# Altium PCB AD9361_EXT.PcbDoc (part 4 of 9)
Units mil, origin at the board's own origin, x right, y up, seen from the top; angles counter-clockwise.
Board outline 3145.03 x 1955.03 mil, 2 copper layers (Top Layer, Bottom Layer); 53 components, 59 nets, 286 pads, 253 vias.
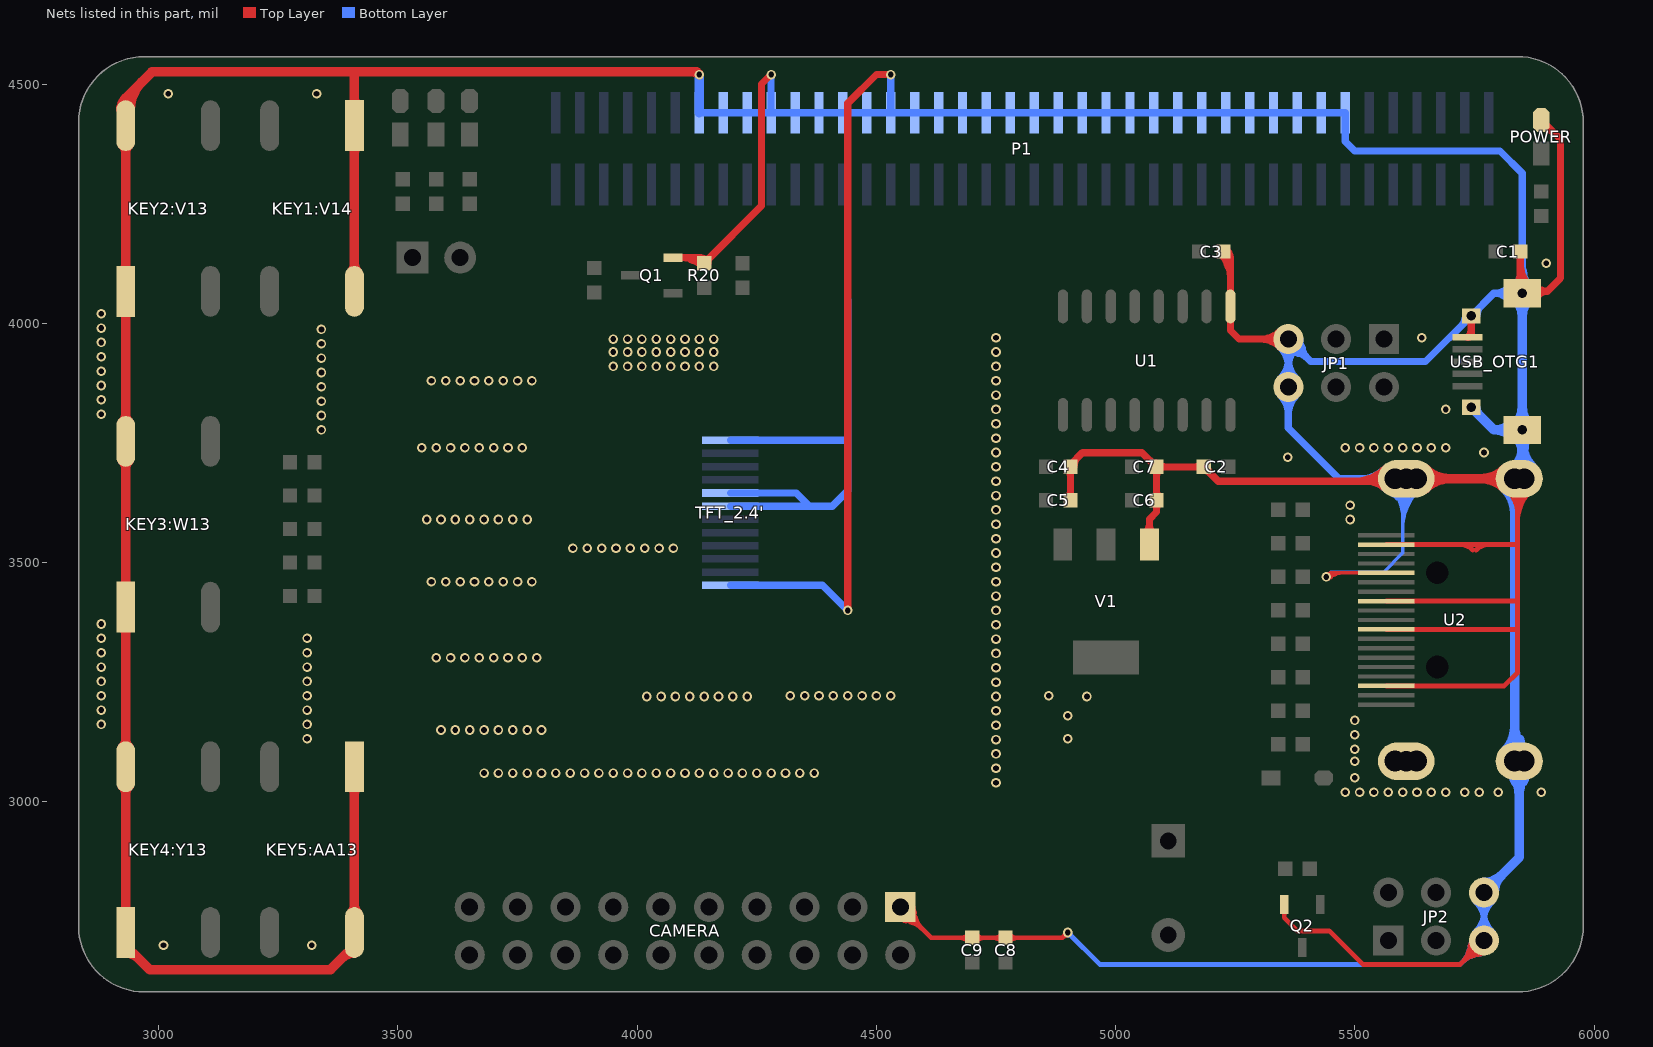
[diagram p4: the nets of this part, all layers, seen from the top]

## Via types
v1: diameter 20, hole 12, Top Layer to Bottom Layer, tented both sides, 253 vias

## Nets (pads, with @x,y where several pads share a name; then routed paths per layer and width w, separated by ;. In a path a pad name is that pad's centre, name@x,y a point inside that pad or via, vN(x,y) a via of type N, cw(c..) or ccw(c..) an arc to the next point about the centre after c; other vN are vias at no path point) (continued)
GND: (continued)
  Bottom Layer w7: v1(5440,3470) 5450,3480 5560,3480 5600,3520 U2.MH4@5600,3675 ; U2.MH4@5571.1,3662.16 cw(c5501.33,3592.39) 5600,3592.39 ; U2.MH4@5571.1,3662.16 cw(c5501.33,3592.39) 5600,3592.39 ; U2.MH4@5571.1,3662.16 cw(c5501.33,3592.39) 5600,3592.39 ; U2.MH4@5571.1,3662.16 cw(c5501.33,3592.39) 5600,3592.39 ; U2.MH4@5576.05,3667.11 cw(c5518.23,3609.29) 5600,3609.29 ; U2.MH4@5576.05,3667.11 cw(c5518.23,3609.29) 5600,3609.29 ; U2.MH4@5576.05,3667.11 cw(c5518.23,3609.29) 5600,3609.29 ; U2.MH4@5576.05,3667.11 cw(c5518.23,3609.29) 5600,3609.29 ; U2.MH4@5578.43,3640.63 cw(c5574.53,3626.06) 5587.59,3633.6 ; U2.MH4@5578.43,3640.63 cw(c5574.53,3626.06) 5587.59,3633.6 ; U2.MH4@5578.43,3640.63 cw(c5574.53,3626.06) 5587.59,3633.6 ; U2.MH4@5578.43,3640.63 cw(c5574.53,3626.06) 5587.59,3633.6 ; U2.MH4@5578.43,3640.63 cw(c5574.53,3626.06) 5587.59,3633.6 ; U2.MH4@5578.43,3640.63 cw(c5574.53,3626.06) 5587.59,3633.6 ; U2.MH4@5579.24,3657.47 cw(c5574.46,3639.63) U2.MH4@5590.45,3648.86 ; U2.MH4@5579.24,3657.47 cw(c5574.46,3639.63) U2.MH4@5590.45,3648.86 ; U2.MH4@5579.24,3657.47 cw(c5574.46,3639.63) U2.MH4@5590.45,3648.86 ; U2.MH4@5579.24,3657.47 cw(c5574.46,3639.63) U2.MH4@5590.45,3648.86 ; U2.MH4@5579.24,3657.47 cw(c5574.46,3639.63) U2.MH4@5590.45,3648.86 ; U2.MH4@5579.24,3657.47 cw(c5574.46,3639.63) U2.MH4@5590.45,3648.86 ; U2.MH4@5579.24,3657.47 cw(c5574.46,3639.63) U2.MH4@5590.45,3648.86 ; U2.MH4@5579.24,3657.47 cw(c5574.46,3639.63) U2.MH4@5590.45,3648.86 ; U2.MH4@5579.24,3657.47 cw(c5574.46,3639.63) U2.MH4@5590.45,3648.86 ; U2.MH4@5579.24,3657.47 cw(c5574.46,3639.63) U2.MH4@5590.45,3648.86 ; U2.MH4@5579.93,3657.29 cw(c5574.21,3632.05) U2.MH4@5596.63,3644.99 ; U2.MH4@5579.93,3657.29 cw(c5574.21,3632.05) U2.MH4@5596.63,3644.99 ; U2.MH4@5579.93,3657.29 cw(c5574.21,3632.05) U2.MH4@5596.63,3644.99 ; U2.MH4@5579.93,3657.29 cw(c5574.21,3632.05) U2.MH4@5596.63,3644.99 ; U2.MH4@5579.93,3657.29 cw(c5574.21,3632.05) U2.MH4@5596.63,3644.99 ; U2.MH4@5579.93,3657.29 cw(c5574.21,3632.05) U2.MH4@5596.63,3644.99 ; U2.MH4@5581,3672.06 cw(c5535.13,3626.19) 5600,3626.19 ; U2.MH4@5581,3672.06 cw(c5535.13,3626.19) 5600,3626.19 ; U2.MH4@5581,3672.06 cw(c5535.13,3626.19) 5600,3626.19 ; U2.MH4@5581,3672.06 cw(c5535.13,3626.19) 5600,3626.19 ; U2.MH4@5582.04,3649.91 cw(c5538.67,3606.55) 5600,3606.55 ; U2.MH4@5582.04,3649.91 cw(c5538.67,3606.55) 5600,3606.55 ; U2.MH4@5582.04,3649.91 cw(c5538.67,3606.55) 5600,3606.55 ; U2.MH4@5582.04,3649.91 cw(c5538.67,3606.55) 5600,3606.55 ; U2.MH4@5585.95,3677.01 cw(c5552.03,3643.09) U2.MH4@5600,3643.09 ; U2.MH4@5585.95,3677.01 cw(c5552.03,3643.09) U2.MH4@5600,3643.09 ; U2.MH4@5585.95,3677.01 cw(c5552.03,3643.09) U2.MH4@5600,3643.09 ; U2.MH4@5585.95,3677.01 cw(c5552.03,3643.09) U2.MH4@5600,3643.09 ; U2.MH4@5586.99,3654.86 cw(c5555.57,3623.45) 5600,3623.45 ; U2.MH4@5586.99,3654.86 cw(c5555.57,3623.45) 5600,3623.45 ; U2.MH4@5586.99,3654.86 cw(c5555.57,3623.45) 5600,3623.45 ; U2.MH4@5586.99,3654.86 cw(c5555.57,3623.45) 5600,3623.45 ; U2.MH4@5588.76,3646.24 cw(c5602.86,3654.82) U2.MH4@5591.57,3666.86 ; U2.MH4@5588.76,3646.24 cw(c5602.86,3654.82) U2.MH4@5591.57,3666.86 ; U2.MH4@5588.76,3646.24 cw(c5602.86,3654.82) U2.MH4@5591.57,3666.86 ; U2.MH4@5588.76,3646.24 cw(c5602.86,3654.82) U2.MH4@5591.57,3666.86 ; U2.MH4@5588.76,3646.24 cw(c5602.86,3654.82) U2.MH4@5591.57,3666.86 ; U2.MH4@5588.76,3646.24 cw(c5602.86,3654.82) U2.MH4@5591.57,3666.86 ; U2.MH4@5590.9,3681.96 cw(c5568.93,3659.99) U2.MH4@5600,3659.99 ; U2.MH4@5590.9,3681.96 cw(c5568.93,3659.99) U2.MH4@5600,3659.99 ; U2.MH4@5590.9,3681.96 cw(c5568.93,3659.99) U2.MH4@5600,3659.99 ; U2.MH4@5590.9,3681.96 cw(c5568.93,3659.99) U2.MH4@5600,3659.99 ; U2.MH4@5591.19,3647.59 cw(c5607.02,3656.73) U2.MH4@5592.68,3668.08 ; U2.MH4@5591.19,3647.59 cw(c5607.02,3656.73) U2.MH4@5592.68,3668.08 ; U2.MH4@5591.19,3647.59 cw(c5607.02,3656.73) U2.MH4@5592.68,3668.08 ; U2.MH4@5591.19,3647.59 cw(c5607.02,3656.73) U2.MH4@5592.68,3668.08 ; U2.MH4@5591.19,3647.59 cw(c5607.02,3656.73) U2.MH4@5592.68,3668.08 ; U2.MH4@5591.19,3647.59 cw(c5607.02,3656.73) U2.MH4@5592.68,3668.08 ; U2.MH4@5591.19,3647.59 cw(c5607.02,3656.73) U2.MH4@5592.68,3668.08 ; U2.MH4@5591.19,3647.59 cw(c5607.02,3656.73) U2.MH4@5592.68,3668.08 ; U2.MH4@5591.19,3647.59 cw(c5607.02,3656.73) U2.MH4@5592.68,3668.08 ; U2.MH4@5591.19,3647.59 cw(c5607.02,3656.73) U2.MH4@5592.68,3668.08 ; U2.MH4@5591.52,3653.83 cw(c5602.41,3660.12) U2.MH4@5592.62,3668 ; U2.MH4@5591.52,3653.83 cw(c5602.41,3660.12) U2.MH4@5592.62,3668 ; U2.MH4@5591.52,3653.83 cw(c5602.41,3660.12) U2.MH4@5592.62,3668 ; U2.MH4@5591.52,3653.83 cw(c5602.41,3660.12) U2.MH4@5592.62,3668 ; U2.MH4@5591.52,3653.83 cw(c5602.41,3660.12) U2.MH4@5592.62,3668 ; U2.MH4@5591.52,3653.83 cw(c5602.41,3660.12) U2.MH4@5592.62,3668 ; U2.MH4@5593.24,3638.87 cw(c5608.88,3648.4) U2.MH4@5596.35,3661.76 ; U2.MH4@5593.24,3638.87 cw(c5608.88,3648.4) U2.MH4@5596.35,3661.76 ; U2.MH4@5593.24,3638.87 cw(c5608.88,3648.4) U2.MH4@5596.35,3661.76 ; U2.MH4@5593.24,3638.87 cw(c5608.88,3648.4) U2.MH4@5596.35,3661.76 ; U2.MH4@5593.24,3638.87 cw(c5608.88,3648.4) U2.MH4@5596.35,3661.76 ; U2.MH4@5593.24,3638.87 cw(c5608.88,3648.4) U2.MH4@5596.35,3661.76 ; U2.MH4@5596.34,3638.66 cw(c5615.72,3649.85) U2.MH4@5598.17,3663.74 ; U2.MH4@5596.34,3638.66 cw(c5615.72,3649.85) U2.MH4@5598.17,3663.74 ; U2.MH4@5596.34,3638.66 cw(c5615.72,3649.85) U2.MH4@5598.17,3663.74 ; U2.MH4@5596.34,3638.66 cw(c5615.72,3649.85) U2.MH4@5598.17,3663.74 ; U2.MH4@5596.34,3638.66 cw(c5615.72,3649.85) U2.MH4@5598.17,3663.74 ; U2.MH4@5596.34,3638.66 cw(c5615.72,3649.85) U2.MH4@5598.17,3663.74 ; U2.MH4@5596.34,3638.66 cw(c5615.72,3649.85) U2.MH4@5598.17,3663.74 ; U2.MH4@5596.34,3638.66 cw(c5615.72,3649.85) U2.MH4@5598.17,3663.74 ; U2.MH4@5596.34,3638.66 cw(c5615.72,3649.85) U2.MH4@5598.17,3663.74 ; U2.MH4@5596.34,3638.66 cw(c5615.72,3649.85) U2.MH4@5598.17,3663.74 ; U2.MH4@5596.63,3644.99 cw(c5610.94,3653.25) U2.MH4@5598.07,3663.61 ; U2.MH4@5596.63,3644.99 cw(c5610.94,3653.25) U2.MH4@5598.07,3663.61 ; U2.MH4@5596.63,3644.99 cw(c5610.94,3653.25) U2.MH4@5598.07,3663.61 ; U2.MH4@5596.63,3644.99 cw(c5610.94,3653.25) U2.MH4@5598.07,3663.61 ; U2.MH4@5596.63,3644.99 cw(c5610.94,3653.25) U2.MH4@5598.07,3663.61 ; U2.MH4@5596.63,3644.99 cw(c5610.94,3653.25) U2.MH4@5598.07,3663.61 ; 5600,3570.81 cw(c5711.87,3570.81) U2.MH4@5632.77,3649.91 ; 5600,3570.81 cw(c5711.87,3570.81) U2.MH4@5632.77,3649.91 ; 5600,3570.81 cw(c5711.87,3570.81) U2.MH4@5632.77,3649.91 ; 5600,3570.81 cw(c5711.87,3570.81) U2.MH4@5632.77,3649.91 ; 5600,3587.71 cw(c5694.97,3587.71) U2.MH4@5627.82,3654.86 ; 5600,3587.71 cw(c5694.97,3587.71) U2.MH4@5627.82,3654.86 ; 5600,3587.71 cw(c5694.97,3587.71) U2.MH4@5627.82,3654.86 ; 5600,3587.71 cw(c5694.97,3587.71) U2.MH4@5627.82,3654.86 ; 5600,3604.61 cw(c5678.07,3604.61) U2.MH4@5622.87,3659.81 ; 5600,3604.61 cw(c5678.07,3604.61) U2.MH4@5622.87,3659.81 ; 5600,3604.61 cw(c5678.07,3604.61) U2.MH4@5622.87,3659.81 ; 5600,3604.61 cw(c5678.07,3604.61) U2.MH4@5622.87,3659.81 ; 5600,3621.51 cw(c5661.17,3621.51) U2.MH4@5617.92,3664.76 ; 5600,3621.51 cw(c5661.17,3621.51) U2.MH4@5617.92,3664.76 ; 5600,3621.51 cw(c5661.17,3621.51) U2.MH4@5617.92,3664.76 ; 5600,3621.51 cw(c5661.17,3621.51) U2.MH4@5617.92,3664.76 ; 5600.81,3635.13 cw(c5640.15,3612.41) U2.MH4@5632.14,3657.13 ; 5600.81,3635.13 cw(c5640.15,3612.41) U2.MH4@5632.14,3657.13 ; 5600.81,3635.13 cw(c5640.15,3612.41) U2.MH4@5632.14,3657.13 ; 5600.81,3635.13 cw(c5640.15,3612.41) U2.MH4@5632.14,3657.13 ; 5600.81,3635.13 cw(c5640.15,3612.41) U2.MH4@5632.14,3657.13 ; 5600.81,3635.13 cw(c5640.15,3612.41) U2.MH4@5632.14,3657.13 ; 5600.81,3635.13 cw(c5640.15,3612.41) U2.MH4@5632.14,3657.13 ; 5600.81,3635.13 cw(c5640.15,3612.41) U2.MH4@5632.14,3657.13 ; 5600.81,3635.13 cw(c5640.15,3612.41) U2.MH4@5632.14,3657.13 ; 5600.81,3635.13 cw(c5640.15,3612.41) U2.MH4@5632.14,3657.13 ; U2.MH4@5607.04,3636.38 ccw(c5575.59,3657.63) U2.MH4@5611.68,3669.38 ; U2.MH4@5607.04,3636.38 ccw(c5575.59,3657.63) U2.MH4@5611.68,3669.38 ; U2.MH4@5607.04,3636.38 ccw(c5575.59,3657.63) U2.MH4@5611.68,3669.38 ; U2.MH4@5607.04,3636.38 ccw(c5575.59,3657.63) U2.MH4@5611.68,3669.38 ; U2.MH4@5607.04,3636.38 ccw(c5575.59,3657.63) U2.MH4@5611.68,3669.38 ; U2.MH4@5607.04,3636.38 ccw(c5575.59,3657.63) U2.MH4@5611.68,3669.38 ; U2.MH4@5607.04,3636.38 ccw(c5575.59,3657.63) U2.MH4@5611.68,3669.38 ; U2.MH4@5607.04,3636.38 ccw(c5575.59,3657.63) U2.MH4@5611.68,3669.38 ; U2.MH4@5607.04,3636.38 ccw(c5575.59,3657.63) U2.MH4@5611.68,3669.38 ; U2.MH4@5607.04,3636.38 ccw(c5575.59,3657.63) U2.MH4@5611.68,3669.38 ; U2.MH4@5608.34,3648.18 cw(c5636.67,3631.82) U2.MH4@5630.9,3664.02 ; U2.MH4@5608.34,3648.18 cw(c5636.67,3631.82) U2.MH4@5630.9,3664.02 ; U2.MH4@5608.34,3648.18 cw(c5636.67,3631.82) U2.MH4@5630.9,3664.02 ; U2.MH4@5608.34,3648.18 cw(c5636.67,3631.82) U2.MH4@5630.9,3664.02 ; U2.MH4@5608.34,3648.18 cw(c5636.67,3631.82) U2.MH4@5630.9,3664.02 ; U2.MH4@5608.34,3648.18 cw(c5636.67,3631.82) U2.MH4@5630.9,3664.02 ; U2.MH4@5608.34,3648.18 cw(c5636.67,3631.82) U2.MH4@5630.9,3664.02 ; U2.MH4@5608.34,3648.18 cw(c5636.67,3631.82) U2.MH4@5630.9,3664.02 ; U2.MH4@5608.34,3648.18 cw(c5636.67,3631.82) U2.MH4@5630.9,3664.02 ; U2.MH4@5608.34,3648.18 cw(c5636.67,3631.82) U2.MH4@5630.9,3664.02 ; U2.MH4@5608.53,3648.51 ccw(c5583.66,3662.87) U2.MH4@5611.4,3670.3 ; U2.MH4@5608.53,3648.51 ccw(c5583.66,3662.87) U2.MH4@5611.4,3670.3 ; U2.MH4@5608.53,3648.51 ccw(c5583.66,3662.87) U2.MH4@5611.4,3670.3 ; U2.MH4@5608.53,3648.51 ccw(c5583.66,3662.87) U2.MH4@5611.4,3670.3 ; U2.MH4@5608.53,3648.51 ccw(c5583.66,3662.87) U2.MH4@5611.4,3670.3 ; U2.MH4@5608.53,3648.51 ccw(c5583.66,3662.87) U2.MH4@5611.4,3670.3 ; U2.MH4@5608.53,3648.51 ccw(c5583.66,3662.87) U2.MH4@5611.4,3670.3 ; U2.MH4@5608.53,3648.51 ccw(c5583.66,3662.87) U2.MH4@5611.4,3670.3 ; U2.MH4@5608.53,3648.51 ccw(c5583.66,3662.87) U2.MH4@5611.4,3670.3 ; U2.MH4@5608.53,3648.51 ccw(c5583.66,3662.87) U2.MH4@5611.4,3670.3 ; U2.MH4@5611.97,3643.69 cw(c5638.46,3625.79) U2.MH4@5632.39,3657.18 ; U2.MH4@5611.97,3643.69 cw(c5638.46,3625.79) U2.MH4@5632.39,3657.18 ; U2.MH4@5611.97,3643.69 cw(c5638.46,3625.79) U2.MH4@5632.39,3657.18 ; U2.MH4@5611.97,3643.69 cw(c5638.46,3625.79) U2.MH4@5632.39,3657.18 ; U2.MH4@5611.97,3643.69 cw(c5638.46,3625.79) U2.MH4@5632.39,3657.18 ; U2.MH4@5611.97,3643.69 cw(c5638.46,3625.79) U2.MH4@5632.39,3657.18 ; U2.MH4@5611.97,3643.69 cw(c5638.46,3625.79) U2.MH4@5632.39,3657.18 ; U2.MH4@5611.97,3643.69 cw(c5638.46,3625.79) U2.MH4@5632.39,3657.18 ; U2.MH4@5611.97,3643.69 cw(c5638.46,3625.79) U2.MH4@5632.39,3657.18 ; U2.MH4@5611.97,3643.69 cw(c5638.46,3625.79) U2.MH4@5632.39,3657.18 ; U2.MH4@5612.41,3655.53 cw(c5648.46,3657.45) U2.MH4@5621.62,3681.58 ; U2.MH4@5612.41,3655.53 cw(c5648.46,3657.45) U2.MH4@5621.62,3681.58 ; U2.MH4@5612.41,3655.53 cw(c5648.46,3657.45) U2.MH4@5621.62,3681.58 ; U2.MH4@5612.41,3655.53 cw(c5648.46,3657.45) U2.MH4@5621.62,3681.58 ; U2.MH4@5612.41,3655.53 cw(c5648.46,3657.45) U2.MH4@5621.62,3681.58 ; U2.MH4@5612.41,3655.53 cw(c5648.46,3657.45) U2.MH4@5621.62,3681.58 ; U2.MH4@5612.41,3655.53 cw(c5648.46,3657.45) U2.MH4@5621.62,3681.58 ; U2.MH4@5612.41,3655.53 cw(c5648.46,3657.45) U2.MH4@5621.62,3681.58 ; U2.MH4@5612.41,3655.53 cw(c5648.46,3657.45) U2.MH4@5621.62,3681.58 ; U2.MH4@5612.41,3655.53 cw(c5648.46,3657.45) U2.MH4@5621.62,3681.58 ; U2.MH4@5612.87,3648.08 ccw(c5603.41,3668.23) U2.MH4@5624.92,3673.94 ; U2.MH4@5612.87,3648.08 ccw(c5603.41,3668.23) U2.MH4@5624.92,3673.94 ; U2.MH4@5612.87,3648.08 ccw(c5603.41,3668.23) U2.MH4@5624.92,3673.94 ; U2.MH4@5612.87,3648.08 ccw(c5603.41,3668.23) U2.MH4@5624.92,3673.94 ; U2.MH4@5612.87,3648.08 ccw(c5603.41,3668.23) U2.MH4@5624.92,3673.94 ; U2.MH4@5612.87,3648.08 ccw(c5603.41,3668.23) U2.MH4@5624.92,3673.94 ; U2.MH4@5612.87,3648.08 ccw(c5603.41,3668.23) U2.MH4@5624.92,3673.94 ; U2.MH4@5612.87,3648.08 ccw(c5603.41,3668.23) U2.MH4@5624.92,3673.94 ; U2.MH4@5612.87,3648.08 ccw(c5603.41,3668.23) U2.MH4@5624.92,3673.94 ; U2.MH4@5612.87,3648.08 ccw(c5603.41,3668.23) U2.MH4@5624.92,3673.94 ; U2.MH4@5614.98,3663.4 cw(c5599.97,3650.92) U2.MH4@5615.35,3638.91 ; U2.MH4@5614.98,3663.4 cw(c5599.97,3650.92) U2.MH4@5615.35,3638.91 ; U2.MH4@5614.98,3663.4 cw(c5599.97,3650.92) U2.MH4@5615.35,3638.91 ; U2.MH4@5614.98,3663.4 cw(c5599.97,3650.92) U2.MH4@5615.35,3638.91 ; U2.MH4@5614.98,3663.4 cw(c5599.97,3650.92) U2.MH4@5615.35,3638.91 ; U2.MH4@5614.98,3663.4 cw(c5599.97,3650.92) U2.MH4@5615.35,3638.91 ; U2.MH4@5614.98,3663.4 cw(c5599.97,3650.92) U2.MH4@5615.35,3638.91 ; U2.MH4@5614.98,3663.4 cw(c5599.97,3650.92) U2.MH4@5615.35,3638.91 ; U2.MH4@5614.98,3663.4 cw(c5599.97,3650.92) U2.MH4@5615.35,3638.91 ; U2.MH4@5614.98,3663.4 cw(c5599.97,3650.92) U2.MH4@5615.35,3638.91 ; U2.MH4@5615.06,3648.25 ccw(c5592.86,3663.25) U2.MH4@5618.33,3671.55 ; U2.MH4@5615.06,3648.25 ccw(c5592.86,3663.25) U2.MH4@5618.33,3671.55 ; U2.MH4@5615.06,3648.25 ccw(c5592.86,3663.25) U2.MH4@5618.33,3671.55 ; U2.MH4@5615.06,3648.25 ccw(c5592.86,3663.25) U2.MH4@5618.33,3671.55 ; U2.MH4@5615.06,3648.25 ccw(c5592.86,3663.25) U2.MH4@5618.33,3671.55 ; U2.MH4@5615.06,3648.25 ccw(c5592.86,3663.25) U2.MH4@5618.33,3671.55 ; U2.MH4@5615.06,3648.25 ccw(c5592.86,3663.25) U2.MH4@5618.33,3671.55 ; U2.MH4@5615.06,3648.25 ccw(c5592.86,3663.25) U2.MH4@5618.33,3671.55 ; U2.MH4@5615.06,3648.25 ccw(c5592.86,3663.25) U2.MH4@5618.33,3671.55 ; U2.MH4@5615.06,3648.25 ccw(c5592.86,3663.25) U2.MH4@5618.33,3671.55 ; U2.MH4@5620.36,3667.87 cw(c5606.81,3656.6) U2.MH4@5620.69,3645.75 ; U2.MH4@5620.36,3667.87 cw(c5606.81,3656.6) U2.MH4@5620.69,3645.75 ; U2.MH4@5620.36,3667.87 cw(c5606.81,3656.6) U2.MH4@5620.69,3645.75 ; U2.MH4@5620.36,3667.87 cw(c5606.81,3656.6) U2.MH4@5620.69,3645.75 ; U2.MH4@5620.36,3667.87 cw(c5606.81,3656.6) U2.MH4@5620.69,3645.75 ; U2.MH4@5620.36,3667.87 cw(c5606.81,3656.6) U2.MH4@5620.69,3645.75 ; U2.MH4@5620.36,3667.87 cw(c5606.81,3656.6) U2.MH4@5620.69,3645.75 ; U2.MH4@5620.36,3667.87 cw(c5606.81,3656.6) U2.MH4@5620.69,3645.75 ; U2.MH4@5620.36,3667.87 cw(c5606.81,3656.6) U2.MH4@5620.69,3645.75 ; U2.MH4@5620.36,3667.87 cw(c5606.81,3656.6) U2.MH4@5620.69,3645.75 ; U2.MH4@5620.46,3651.65 ccw(c5611.65,3670.41) U2.MH4@5631.69,3675.73 ; U2.MH4@5620.46,3651.65 ccw(c5611.65,3670.41) U2.MH4@5631.69,3675.73 ; U2.MH4@5620.46,3651.65 ccw(c5611.65,3670.41) U2.MH4@5631.69,3675.73 ; U2.MH4@5620.46,3651.65 ccw(c5611.65,3670.41) U2.MH4@5631.69,3675.73 ; U2.MH4@5620.46,3651.65 ccw(c5611.65,3670.41) U2.MH4@5631.69,3675.73 ; U2.MH4@5620.46,3651.65 ccw(c5611.65,3670.41) U2.MH4@5631.69,3675.73 ; U2.MH4@5620.46,3651.65 ccw(c5611.65,3670.41) U2.MH4@5631.69,3675.73 ; U2.MH4@5620.46,3651.65 ccw(c5611.65,3670.41) U2.MH4@5631.69,3675.73 ; U2.MH4@5620.46,3651.65 ccw(c5611.65,3670.41) U2.MH4@5631.69,3675.73 ; U2.MH4@5620.46,3651.65 ccw(c5611.65,3670.41) U2.MH4@5631.69,3675.73 ; U2.MH4@5625.74,3672.34 cw(c5613.64,3662.28) U2.MH4@5626.04,3652.59 ; U2.MH4@5625.74,3672.34 cw(c5613.64,3662.28) U2.MH4@5626.04,3652.59 ; U2.MH4@5625.74,3672.34 cw(c5613.64,3662.28) U2.MH4@5626.04,3652.59 ; U2.MH4@5625.74,3672.34 cw(c5613.64,3662.28) U2.MH4@5626.04,3652.59 ; U2.MH4@5625.74,3672.34 cw(c5613.64,3662.28) U2.MH4@5626.04,3652.59 ; U2.MH4@5625.74,3672.34 cw(c5613.64,3662.28) U2.MH4@5626.04,3652.59 ; U2.MH4@5625.74,3672.34 cw(c5613.64,3662.28) U2.MH4@5626.04,3652.59 ; U2.MH4@5625.74,3672.34 cw(c5613.64,3662.28) U2.MH4@5626.04,3652.59 ; U2.MH4@5625.74,3672.34 cw(c5613.64,3662.28) U2.MH4@5626.04,3652.59 ; U2.MH4@5625.74,3672.34 cw(c5613.64,3662.28) U2.MH4@5626.04,3652.59
  Bottom Layer w10: v1(4900,2726.77) 4966.77,2660 5720,2660 JP2.5@5770,2710 JP2.6@5770,2810 ; v1@4900,2721.77 cw(c4900,2709.7) 4908.54,2718.24 ; v1@4900,2721.77 cw(c4900,2709.7) 4908.54,2718.24 ; v1@4900,2721.77 cw(c4900,2709.7) 4908.54,2718.24 ; v1@4900,2721.77 cw(c4900,2709.7) 4908.54,2718.24 ; v1@4905,2726.77 ccw(c4917.07,2726.77) 4908.54,2718.24 ; v1@4905,2726.77 ccw(c4917.07,2726.77) 4908.54,2718.24 ; v1@4905,2726.77 ccw(c4917.07,2726.77) 4908.54,2718.24 ; v1@4905,2726.77 ccw(c4917.07,2726.77) 4908.54,2718.24 ; 5724.77,2664.77 cw(c5770,2619.54) JP2.5@5770,2683.5 ; 5724.77,2664.77 ccw(c5679.54,2710) JP2.5@5743.5,2710 ; 5724.77,2664.77 cw(c5770,2619.54) JP2.5@5770,2683.5 ; 5724.77,2664.77 ccw(c5679.54,2710) JP2.5@5743.5,2710 ; 5724.77,2664.77 cw(c5770,2619.54) JP2.5@5770,2683.5 ; 5724.77,2664.77 ccw(c5679.54,2710) JP2.5@5743.5,2710 ; 5724.77,2664.77 cw(c5770,2619.54) JP2.5@5770,2683.5 ; 5724.77,2664.77 ccw(c5679.54,2710) JP2.5@5743.5,2710 ; 5736.03,2682.1 cw(c5778.02,2670.84) JP2.5@5769.3,2713.43 ; 5736.03,2682.1 cw(c5778.02,2670.84) JP2.5@5769.3,2713.43 ; 5736.03,2682.1 cw(c5778.02,2670.84) JP2.5@5769.3,2713.43 ; 5736.03,2682.1 cw(c5778.02,2670.84) JP2.5@5769.3,2713.43 ; 5736.03,2682.1 cw(c5778.02,2670.84) JP2.5@5769.3,2713.43 ; 5736.03,2682.1 cw(c5778.02,2670.84) JP2.5@5769.3,2713.43 ; 5740.22,2697.73 cw(c5774.39,2688.57) JP2.5@5767.29,2723.23 ; 5740.22,2697.73 cw(c5774.39,2688.57) JP2.5@5767.29,2723.23 ; 5740.22,2697.73 cw(c5774.39,2688.57) JP2.5@5767.29,2723.23 ; 5740.22,2697.73 cw(c5774.39,2688.57) JP2.5@5767.29,2723.23 ; 5740.22,2697.73 cw(c5774.39,2688.57) JP2.5@5767.29,2723.23 ; 5740.22,2697.73 cw(c5774.39,2688.57) JP2.5@5767.29,2723.23 ; 5741.84,2681.84 cw(c5770,2653.68) JP2.5@5770,2693.5 ; 5741.84,2681.84 ccw(c5713.68,2710) JP2.5@5753.5,2710 ; 5741.84,2681.84 cw(c5770,2653.68) JP2.5@5770,2693.5 ; 5741.84,2681.84 ccw(c5713.68,2710) JP2.5@5753.5,2710 ; 5741.84,2681.84 cw(c5770,2653.68) JP2.5@5770,2693.5 ; 5741.84,2681.84 ccw(c5713.68,2710) JP2.5@5753.5,2710 ; 5741.84,2681.84 cw(c5770,2653.68) JP2.5@5770,2693.5 ; 5741.84,2681.84 ccw(c5713.68,2710) JP2.5@5753.5,2710 ; 5742.1,2676.03 ccw(c5730.84,2718.02) JP2.5@5773.43,2709.3 ; 5742.1,2676.03 ccw(c5730.84,2718.02) JP2.5@5773.43,2709.3 ; 5742.1,2676.03 ccw(c5730.84,2718.02) JP2.5@5773.43,2709.3 ; 5742.1,2676.03 ccw(c5730.84,2718.02) JP2.5@5773.43,2709.3 ; 5742.1,2676.03 ccw(c5730.84,2718.02) JP2.5@5773.43,2709.3 ; 5742.1,2676.03 ccw(c5730.84,2718.02) JP2.5@5773.43,2709.3 ; JP2.5@5751.26,2728.74 ccw(c5706.03,2773.97) 5770,2773.97 ; JP2.5@5751.26,2728.74 ccw(c5706.03,2773.97) 5770,2773.97 ; JP2.5@5751.26,2728.74 ccw(c5706.03,2773.97) 5770,2773.97 ; JP2.5@5751.26,2728.74 ccw(c5706.03,2773.97) 5770,2773.97 ; JP2.6@5751.26,2791.26 cw(c5706.03,2746.03) 5770,2746.03 ; JP2.6@5751.26,2791.26 cw(c5706.03,2746.03) 5770,2746.03 ; JP2.6@5751.26,2791.26 cw(c5706.03,2746.03) 5770,2746.03 ; JP2.6@5751.26,2791.26 cw(c5706.03,2746.03) 5770,2746.03 ; 5757.73,2680.22 ccw(c5748.57,2714.39) JP2.5@5783.23,2707.29 ; 5757.73,2680.22 ccw(c5748.57,2714.39) JP2.5@5783.23,2707.29 ; 5757.73,2680.22 ccw(c5748.57,2714.39) JP2.5@5783.23,2707.29 ; 5757.73,2680.22 ccw(c5748.57,2714.39) JP2.5@5783.23,2707.29 ; 5757.73,2680.22 ccw(c5748.57,2714.39) JP2.5@5783.23,2707.29 ; 5757.73,2680.22 ccw(c5748.57,2714.39) JP2.5@5783.23,2707.29 ; JP2.5@5758.34,2721.66 ccw(c5730.18,2749.82) 5770,2749.82 ; JP2.5@5758.34,2721.66 ccw(c5730.18,2749.82) 5770,2749.82 ; JP2.5@5758.34,2721.66 ccw(c5730.18,2749.82) 5770,2749.82 ; JP2.5@5758.34,2721.66 ccw(c5730.18,2749.82) 5770,2749.82 ; JP2.6@5758.34,2798.34 cw(c5730.18,2770.18) 5770,2770.18 ; JP2.6@5758.34,2798.34 cw(c5730.18,2770.18) 5770,2770.18 ; JP2.6@5758.34,2798.34 cw(c5730.18,2770.18) 5770,2770.18 ; JP2.6@5758.34,2798.34 cw(c5730.18,2770.18) 5770,2770.18 ; 5770,2746.03 cw(c5833.97,2746.03) JP2.6@5788.74,2791.26 ; 5770,2746.03 cw(c5833.97,2746.03) JP2.6@5788.74,2791.26 ; 5770,2746.03 cw(c5833.97,2746.03) JP2.6@5788.74,2791.26 ; 5770,2746.03 cw(c5833.97,2746.03) JP2.6@5788.74,2791.26 ; 5770,2749.82 ccw(c5809.82,2749.82) JP2.5@5781.66,2721.66 ; 5770,2749.82 ccw(c5809.82,2749.82) JP2.5@5781.66,2721.66 ; 5770,2749.82 ccw(c5809.82,2749.82) JP2.5@5781.66,2721.66 ; 5770,2749.82 ccw(c5809.82,2749.82) JP2.5@5781.66,2721.66 ; 5770,2770.18 cw(c5809.82,2770.18) JP2.6@5781.66,2798.34 ; 5770,2770.18 cw(c5809.82,2770.18) JP2.6@5781.66,2798.34 ; 5770,2770.18 cw(c5809.82,2770.18) JP2.6@5781.66,2798.34 ; 5770,2770.18 cw(c5809.82,2770.18) JP2.6@5781.66,2798.34 ; 5770,2773.97 ccw(c5833.97,2773.97) JP2.5@5788.74,2728.74 ; 5770,2773.97 ccw(c5833.97,2773.97) JP2.5@5788.74,2728.74 ; 5770,2773.97 ccw(c5833.97,2773.97) JP2.5@5788.74,2728.74 ; 5770,2773.97 ccw(c5833.97,2773.97) JP2.5@5788.74,2728.74
  Bottom Layer w15: P1.13@4130,4440 P1.15@4180,4440 P1.17@4230,4440 P1.19@4280,4440 ; TFT_2.4'.12@4195,3452.44 4387.56,3452.44 v1(4440,3400) ; TFT_2.4'.6@4195,3617.8 4360,3617.8 ; TFT_2.4'.5@4195,3645.35 4332.44,3645.35 4360,3617.8 ; TFT_2.4'.1@4195,3755.59 4434.41,3755.59 ; v1(4280,4520) P1.19@4280,4440 ; 4440,4050 4440,3650 4407.8,3617.8 4360,3617.8 ; v1(4530,4520) P1.29@4530,4440 ; U2.MH4@5628.94,3675 U2.MH4@5600,3675 ; P1.19@4280,4440 P1.21@4330,4440 P1.23@4380,4440 P1.25@4430,4440 P1.27@4480,4440 P1.29@4530,4440 ; P1.29@4530,4440 P1.31@4580,4440 P1.33@4630,4440 P1.35@4680,4440 P1.37@4730,4440 P1.39@4780,4440 P1.41@4830,4440 P1.43@4880,4440 P1.45@4930,4440 P1.47@4980,4440 P1.49@5030,4440 P1.51@5080,4440 P1.53@5130,4440 P1.55@5180,4440 P1.57@5230,4440 P1.59@5280,4440 P1.61@5330,4440 P1.63@5380,4440 P1.65@5430,4440 P1.67@5480,4440 5480,4380 5500,4360 5803.62,4360 5850,4313.62 USB_OTG1.5@5850,4062.72 5790.55,4062.72 ; JP1.6@5344.03,3850.03 cw(c5303.07,3809.07) 5361,3809.07 ; JP1.6@5344.03,3850.03 cw(c5303.07,3809.07) 5361,3809.07 ; JP1.6@5344.03,3850.03 cw(c5303.07,3809.07) 5361,3809.07 ; JP1.6@5344.03,3850.03 cw(c5303.07,3809.07) 5361,3809.07 ; JP1.6@5344.03,3883.97 ccw(c5303.07,3924.93) 5361,3924.93 ; JP1.6@5344.03,3883.97 ccw(c5303.07,3924.93) 5361,3924.93 ; JP1.6@5344.03,3883.97 ccw(c5303.07,3924.93) 5361,3924.93 ; JP1.6@5344.03,3883.97 ccw(c5303.07,3924.93) 5361,3924.93 ; JP1.5@5344.03,3950.03 cw(c5303.07,3909.07) 5361,3909.07 ; JP1.5@5344.03,3950.03 cw(c5303.07,3909.07) 5361,3909.07 ; JP1.5@5344.03,3950.03 cw(c5303.07,3909.07) 5361,3909.07 ; JP1.5@5344.03,3950.03 cw(c5303.07,3909.07) 5361,3909.07 ; JP1.5@5355.12,3965.8 ccw(c5391.44,3973.23) 5381.85,3937.42 ; JP1.5@5355.12,3965.8 ccw(c5391.44,3973.23) 5381.85,3937.42 ; JP1.5@5355.12,3965.8 ccw(c5391.44,3973.23) 5381.85,3937.42 ; JP1.5@5355.12,3965.8 ccw(c5391.44,3973.23) 5381.85,3937.42 ; JP1.5@5355.12,3965.8 ccw(c5391.44,3973.23) 5381.85,3937.42 ; JP1.5@5355.12,3965.8 ccw(c5391.44,3973.23) 5381.85,3937.42 ; 5361,3809.07 cw(c5418.93,3809.07) JP1.6@5377.97,3850.03 ; 5361,3809.07 cw(c5418.93,3809.07) JP1.6@5377.97,3850.03 ; 5361,3809.07 cw(c5418.93,3809.07) JP1.6@5377.97,3850.03 ; 5361,3809.07 cw(c5418.93,3809.07) JP1.6@5377.97,3850.03 ; 5361,3909.07 cw(c5418.93,3909.07) JP1.5@5377.97,3950.03 ; 5361,3909.07 cw(c5418.93,3909.07) JP1.5@5377.97,3950.03 ; 5361,3909.07 cw(c5418.93,3909.07) JP1.5@5377.97,3950.03 ; 5361,3909.07 cw(c5418.93,3909.07) JP1.5@5377.97,3950.03 ; 5361,3924.93 ccw(c5418.93,3924.93) JP1.6@5377.97,3883.97 ; 5361,3924.93 ccw(c5418.93,3924.93) JP1.6@5377.97,3883.97 ; 5361,3924.93 ccw(c5418.93,3924.93) JP1.6@5377.97,3883.97 ; 5361,3924.93 ccw(c5418.93,3924.93) JP1.6@5377.97,3883.97 ; JP1.5@5361,3943 cw(c5361,3885.07) 5401.96,3926.04 ; JP1.5@5361,3943 cw(c5361,3885.07) 5401.96,3926.04 ; JP1.5@5361,3943 cw(c5361,3885.07) 5401.96,3926.04 ; JP1.5@5361,3943 cw(c5361,3885.07) 5401.96,3926.04 ; JP1.5@5362.2,3972.88 cw(c5354.77,3936.56) 5390.58,3946.15 ; JP1.5@5362.2,3972.88 cw(c5354.77,3936.56) 5390.58,3946.15 ; JP1.5@5362.2,3972.88 cw(c5354.77,3936.56) 5390.58,3946.15 ; JP1.5@5362.2,3972.88 cw(c5354.77,3936.56) 5390.58,3946.15 ; JP1.5@5362.2,3972.88 cw(c5354.77,3936.56) 5390.58,3946.15 ; JP1.5@5362.2,3972.88 cw(c5354.77,3936.56) 5390.58,3946.15 ; JP1.5@5385,3967 ccw(c5442.93,3967) 5401.96,3926.04 ; JP1.5@5385,3967 ccw(c5442.93,3967) 5401.96,3926.04 ; JP1.5@5385,3967 ccw(c5442.93,3967) 5401.96,3926.04 ; JP1.5@5385,3967 ccw(c5442.93,3967) 5401.96,3926.04 ; 5510.11,3675 ccw(c5510.11,3752.88) U2.MH4@5565.18,3697.81 ; 5510.11,3675 ccw(c5510.11,3752.88) U2.MH4@5565.18,3697.81 ; 5510.11,3675 ccw(c5510.11,3752.88) U2.MH4@5565.18,3697.81 ; 5510.11,3675 ccw(c5510.11,3752.88) U2.MH4@5565.18,3697.81 ; 5511.44,3675 cw(c5511.44,3599) U2.MH4@5565.18,3652.74 ; 5511.44,3675 cw(c5511.44,3599) U2.MH4@5565.18,3652.74 ; 5511.44,3675 cw(c5511.44,3599) U2.MH4@5565.18,3652.74 ; 5511.44,3675 cw(c5511.44,3599) U2.MH4@5565.18,3652.74 ; 5546.32,3675 ccw(c5546.32,3716.67) U2.MH4@5575.79,3687.2 ; 5546.32,3675 ccw(c5546.32,3716.67) U2.MH4@5575.79,3687.2 ; 5546.32,3675 ccw(c5546.32,3716.67) U2.MH4@5575.79,3687.2 ; 5546.32,3675 ccw(c5546.32,3716.67) U2.MH4@5575.79,3687.2 ; 5547.65,3675 cw(c5547.65,3635.21) U2.MH4@5575.79,3663.35 ; 5547.65,3675 cw(c5547.65,3635.21) U2.MH4@5575.79,3663.35 ; 5547.65,3675 cw(c5547.65,3635.21) U2.MH4@5575.79,3663.35 ; 5547.65,3675 cw(c5547.65,3635.21) U2.MH4@5575.79,3663.35 ; U2.MH4@5549.77,3675 cw(c5549.77,3640.83) U2.MH4@5573.93,3664.99 ; U2.MH4@5549.77,3675 ccw(c5549.77,3709.17) U2.MH4@5573.93,3685.01 ; U2.MH4@5549.77,3675 cw(c5549.77,3640.83) U2.MH4@5573.93,3664.99 ; U2.MH4@5549.77,3675 ccw(c5549.77,3709.17) U2.MH4@5573.93,3685.01 ; U2.MH4@5549.77,3675 cw(c5549.77,3640.83) U2.MH4@5573.93,3664.99 ; U2.MH4@5549.77,3675 ccw(c5549.77,3709.17) U2.MH4@5573.93,3685.01 ; U2.MH4@5549.77,3675 cw(c5549.77,3640.83) U2.MH4@5573.93,3664.99 ; U2.MH4@5549.77,3675 ccw(c5549.77,3709.17) U2.MH4@5573.93,3685.01 ; U2.MH4@5593.95,3664.99 cw(c5618.11,3640.83) U2.MH4@5618.11,3675 ; U2.MH4@5593.95,3664.99 cw(c5618.11,3640.83) U2.MH4@5618.11,3675 ; U2.MH4@5593.95,3664.99 cw(c5618.11,3640.83) U2.MH4@5618.11,3675 ; U2.MH4@5593.95,3664.99 cw(c5618.11,3640.83) U2.MH4@5618.11,3675 ; U2.MH4@5593.95,3685.01 ccw(c5618.11,3709.17) U2.MH4@5618.11,3675 ; U2.MH4@5593.95,3685.01 ccw(c5618.11,3709.17) U2.MH4@5618.11,3675 ; U2.MH4@5593.95,3685.01 ccw(c5618.11,3709.17) U2.MH4@5618.11,3675 ; U2.MH4@5593.95,3685.01 ccw(c5618.11,3709.17) U2.MH4@5618.11,3675 ; U2.MH4@5594.77,3675 cw(c5594.77,3640.83) U2.MH4@5618.93,3664.99 ; U2.MH4@5594.77,3675 ccw(c5594.77,3709.17) U2.MH4@5618.93,3685.01 ; U2.MH4@5594.77,3675 cw(c5594.77,3640.83) U2.MH4@5618.93,3664.99 ; U2.MH4@5594.77,3675 ccw(c5594.77,3709.17) U2.MH4@5618.93,3685.01 ; U2.MH4@5594.77,3675 cw(c5594.77,3640.83) U2.MH4@5618.93,3664.99 ; U2.MH4@5594.77,3675 ccw(c5594.77,3709.17) U2.MH4@5618.93,3685.01 ; U2.MH4@5594.77,3675 cw(c5594.77,3640.83) U2.MH4@5618.93,3664.99 ; U2.MH4@5594.77,3675 ccw(c5594.77,3709.17) U2.MH4@5618.93,3685.01 ; U2.MH4@5595.82,3667.31 cw(c5604.49,3661.71) U2.MH4@5607.16,3671.68 ; U2.MH4@5595.82,3667.31 cw(c5604.49,3661.71) U2.MH4@5607.16,3671.68 ; U2.MH4@5595.82,3667.31 cw(c5604.49,3661.71) U2.MH4@5607.16,3671.68 ; U2.MH4@5595.82,3667.31 cw(c5604.49,3661.71) U2.MH4@5607.16,3671.68 ; U2.MH4@5595.82,3667.31 cw(c5604.49,3661.71) U2.MH4@5607.16,3671.68 ; U2.MH4@5595.82,3667.31 cw(c5604.49,3661.71) U2.MH4@5607.16,3671.68 ; U2.MH4@5595.82,3682.69 ccw(c5604.49,3688.29) U2.MH4@5607.16,3678.32 ; U2.MH4@5595.82,3682.69 ccw(c5604.49,3688.29) U2.MH4@5607.16,3678.32 ; U2.MH4@5595.82,3682.69 ccw(c5604.49,3688.29) U2.MH4@5607.16,3678.32 ; U2.MH4@5595.82,3682.69 ccw(c5604.49,3688.29) U2.MH4@5607.16,3678.32 ; U2.MH4@5595.82,3682.69 ccw(c5604.49,3688.29) U2.MH4@5607.16,3678.32 ; U2.MH4@5595.82,3682.69 ccw(c5604.49,3688.29) U2.MH4@5607.16,3678.32 ; U2.MH4@5596.96,3669.46 cw(c5611.15,3663.42) U2.MH4@5607.16,3678.32 ; U2.MH4@5596.96,3669.46 cw(c5611.15,3663.42) U2.MH4@5607.16,3678.32 ; U2.MH4@5596.96,3669.46 cw(c5611.15,3663.42) U2.MH4@5607.16,3678.32 ; U2.MH4@5596.96,3669.46 cw(c5611.15,3663.42) U2.MH4@5607.16,3678.32 ; U2.MH4@5596.96,3669.46 cw(c5611.15,3663.42) U2.MH4@5607.16,3678.32 ; U2.MH4@5596.96,3669.46 cw(c5611.15,3663.42) U2.MH4@5607.16,3678.32 ; U2.MH4@5596.96,3680.54 ccw(c5611.15,3686.58) U2.MH4@5607.16,3671.68 ; U2.MH4@5596.96,3680.54 ccw(c5611.15,3686.58) U2.MH4@5607.16,3671.68 ; U2.MH4@5596.96,3680.54 ccw(c5611.15,3686.58) U2.MH4@5607.16,3671.68 ; U2.MH4@5596.96,3680.54 ccw(c5611.15,3686.58) U2.MH4@5607.16,3671.68 ; U2.MH4@5596.96,3680.54 ccw(c5611.15,3686.58) U2.MH4@5607.16,3671.68 ; U2.MH4@5596.96,3680.54 ccw(c5611.15,3686.58) U2.MH4@5607.16,3671.68 ; U2.MH4@5600,3675 cw(c5600,3652.5) U2.MH4@5617.76,3666.31 ; U2.MH4@5600,3675 ccw(c5600,3697.5) U2.MH4@5617.76,3683.69 ; U2.MH4@5600,3675 cw(c5600,3652.5) U2.MH4@5617.76,3666.31 ; U2.MH4@5600,3675 ccw(c5600,3697.5) U2.MH4@5617.76,3683.69 ; U2.MH4@5600,3675 cw(c5600,3652.5) U2.MH4@5617.76,3666.31 ; U2.MH4@5600,3675 ccw(c5600,3697.5) U2.MH4@5617.76,3683.69 ; U2.MH4@5600,3675 cw(c5600,3652.5) U2.MH4@5617.76,3666.31 ; U2.MH4@5600,3675 ccw(c5600,3697.5) U2.MH4@5617.76,3683.69 ; U2.MH4@5600,3675 cw(c5600,3652.5) U2.MH4@5617.76,3666.31 ; U2.MH4@5600,3675 ccw(c5600,3697.5) U2.MH4@5617.76,3683.69 ; U2.MH4@5600,3675 cw(c5600,3652.5) U2.MH4@5617.76,3666.31 ; U2.MH4@5600,3675 ccw(c5600,3697.5) U2.MH4@5617.76,3683.69 ; U2.MH4@5600,3675 cw(c5600,3652.5) U2.MH4@5617.76,3666.31 ; U2.MH4@5600,3675 ccw(c5600,3697.5) U2.MH4@5617.76,3683.69 ; U2.MH4@5600,3675 cw(c5600,3652.5) U2.MH4@5617.76,3666.31 ; U2.MH4@5600,3675 ccw(c5600,3697.5) U2.MH4@5617.76,3683.69 ; U2.MH4@5600,3675 U2.MH4@5583.94,3675 5467,3675 5361,3781 JP1.6@5361,3867 JP1.5@5361,3967 5408,3920 5647.83,3920 USB_OTG1.5@5743.31,4015.47 5790.55,4062.72 ; U2.MH4@5605.71,3671.68 cw(c5608.38,3661.71) U2.MH4@5617.05,3667.31 ; U2.MH4@5605.71,3671.68 ccw(c5601.72,3686.58) U2.MH4@5615.91,3680.54 ; U2.MH4@5605.71,3671.68 cw(c5608.38,3661.71) U2.MH4@5617.05,3667.31 ; U2.MH4@5605.71,3671.68 ccw(c5601.72,3686.58) U2.MH4@5615.91,3680.54 ; U2.MH4@5605.71,3671.68 cw(c5608.38,3661.71) U2.MH4@5617.05,3667.31 ; U2.MH4@5605.71,3671.68 ccw(c5601.72,3686.58) U2.MH4@5615.91,3680.54 ; U2.MH4@5605.71,3671.68 cw(c5608.38,3661.71) U2.MH4@5617.05,3667.31 ; U2.MH4@5605.71,3671.68 ccw(c5601.72,3686.58) U2.MH4@5615.91,3680.54 ; U2.MH4@5605.71,3671.68 cw(c5608.38,3661.71) U2.MH4@5617.05,3667.31 ; U2.MH4@5605.71,3671.68 ccw(c5601.72,3686.58) U2.MH4@5615.91,3680.54 ; U2.MH4@5605.71,3671.68 cw(c5608.38,3661.71) U2.MH4@5617.05,3667.31 ; U2.MH4@5605.71,3671.68 ccw(c5601.72,3686.58) U2.MH4@5615.91,3680.54 ; U2.MH4@5605.71,3671.68 cw(c5608.38,3661.71) U2.MH4@5617.05,3667.31 ; U2.MH4@5605.71,3671.68 ccw(c5601.72,3686.58) U2.MH4@5615.91,3680.54 ; U2.MH4@5605.71,3671.68 cw(c5608.38,3661.71) U2.MH4@5617.05,3667.31 ; U2.MH4@5605.71,3671.68 ccw(c5601.72,3686.58) U2.MH4@5615.91,3680.54 ; U2.MH4@5605.71,3671.68 cw(c5608.38,3661.71) U2.MH4@5617.05,3667.31 ; U2.MH4@5605.71,3671.68 ccw(c5601.72,3686.58) U2.MH4@5615.91,3680.54 ; U2.MH4@5605.71,3671.68 cw(c5608.38,3661.71) U2.MH4@5617.05,3667.31 ; U2.MH4@5605.71,3671.68 ccw(c5601.72,3686.58) U2.MH4@5615.91,3680.54 ; U2.MH4@5605.71,3678.32 cw(c5601.72,3663.42) U2.MH4@5615.91,3669.46 ; U2.MH4@5605.71,3678.32 ccw(c5608.38,3688.29) U2.MH4@5617.05,3682.69 ; U2.MH4@5605.71,3678.32 cw(c5601.72,3663.42) U2.MH4@5615.91,3669.46 ; U2.MH4@5605.71,3678.32 ccw(c5608.38,3688.29) U2.MH4@5617.05,3682.69 ; U2.MH4@5605.71,3678.32 cw(c5601.72,3663.42) U2.MH4@5615.91,3669.46 ; U2.MH4@5605.71,3678.32 ccw(c5608.38,3688.29) U2.MH4@5617.05,3682.69 ; U2.MH4@5605.71,3678.32 cw(c5601.72,3663.42) U2.MH4@5615.91,3669.46 ; U2.MH4@5605.71,3678.32 ccw(c5608.38,3688.29) U2.MH4@5617.05,3682.69 ; U2.MH4@5605.71,3678.32 cw(c5601.72,3663.42) U2.MH4@5615.91,3669.46 ; U2.MH4@5605.71,3678.32 ccw(c5608.38,3688.29) U2.MH4@5617.05,3682.69 ; U2.MH4@5605.71,3678.32 cw(c5601.72,3663.42) U2.MH4@5615.91,3669.46 ; U2.MH4@5605.71,3678.32 ccw(c5608.38,3688.29) U2.MH4@5617.05,3682.69 ; U2.MH4@5605.71,3678.32 cw(c5601.72,3663.42) U2.MH4@5615.91,3669.46 ; U2.MH4@5605.71,3678.32 ccw(c5608.38,3688.29) U2.MH4@5617.05,3682.69 ; U2.MH4@5605.71,3678.32 cw(c5601.72,3663.42) U2.MH4@5615.91,3669.46 ; U2.MH4@5605.71,3678.32 ccw(c5608.38,3688.29) U2.MH4@5617.05,3682.69 ; U2.MH4@5605.71,3678.32 cw(c5601.72,3663.42) U2.MH4@5615.91,3669.46 ; U2.MH4@5605.71,3678.32 ccw(c5608.38,3688.29) U2.MH4@5617.05,3682.69 ; U2.MH4@5605.71,3678.32 cw(c5601.72,3663.42) U2.MH4@5615.91,3669.46 ; U2.MH4@5605.71,3678.32 ccw(c5608.38,3688.29) U2.MH4@5617.05,3682.69 ; 5722.51,3994.67 ccw(c5701.7,4015.47) USB_OTG1.5@5731.12,4015.47 ; 5722.51,3994.67 ccw(c5701.7,4015.47) USB_OTG1.5@5731.12,4015.47 ; 5722.51,3994.67 ccw(c5701.7,4015.47) USB_OTG1.5@5731.12,4015.47 ; 5722.51,3994.67 ccw(c5701.7,4015.47) USB_OTG1.5@5731.12,4015.47 ; USB_OTG1.5@5755.49,4015.47 cw(c5784.91,4015.47) 5764.11,4036.27 ; USB_OTG1.5@5755.49,4015.47 cw(c5784.91,4015.47) 5764.11,4036.27 ; USB_OTG1.5@5755.49,4015.47 cw(c5784.91,4015.47) 5764.11,4036.27 ; USB_OTG1.5@5755.49,4015.47 cw(c5784.91,4015.47) 5764.11,4036.27 ; 5790.55,4062.72 cw(c5790.55,4017.88) USB_OTG1.5@5823.82,4047.95 ; 5790.55,4062.72 ccw(c5790.55,4107.55) USB_OTG1.5@5823.82,4077.49 ; 5790.55,4062.72 cw(c5790.55,4017.88) USB_OTG1.5@5823.82,4047.95 ; 5790.55,4062.72 ccw(c5790.55,4107.55) USB_OTG1.5@5823.82,4077.49 ; 5790.55,4062.72 cw(c5790.55,4017.88) USB_OTG1.5@5823.82,4047.95 ; 5790.55,4062.72 ccw(c5790.55,4107.55) USB_OTG1.5@5823.82,4077.49 ; 5790.55,4062.72 cw(c5790.55,4017.88) USB_OTG1.5@5823.82,4047.95 ; 5790.55,4062.72 ccw(c5790.55,4107.55) USB_OTG1.5@5823.82,4077.49 ; USB_OTG1.5@5834.42,4078.29 ccw(c5796.82,4115.9) 5850,4115.9 ; USB_OTG1.5@5834.42,4078.29 ccw(c5796.82,4115.9) 5850,4115.9 ; USB_OTG1.5@5834.42,4078.29 ccw(c5796.82,4115.9) 5850,4115.9 ; USB_OTG1.5@5834.42,4078.29 ccw(c5796.82,4115.9) 5850,4115.9 ; 5850,4115.9 ccw(c5903.18,4115.9) USB_OTG1.5@5865.58,4078.29 ; 5850,4115.9 ccw(c5903.18,4115.9) USB_OTG1.5@5865.58,4078.29 ; 5850,4115.9 ccw(c5903.18,4115.9) USB_OTG1.5@5865.58,4078.29 ; 5850,4115.9 ccw(c5903.18,4115.9) USB_OTG1.5@5865.58,4078.29